# Altium PCB 声源跟踪小车结构板框.PcbDoc
Units mm, origin at the board's own origin, x right, y up, seen from the top; angles counter-clockwise.
Board outline 100 x 100 mm, 2 copper layers (Top Layer, Bottom Layer); 6 components, 0 nets, 12 pads, 0 vias.
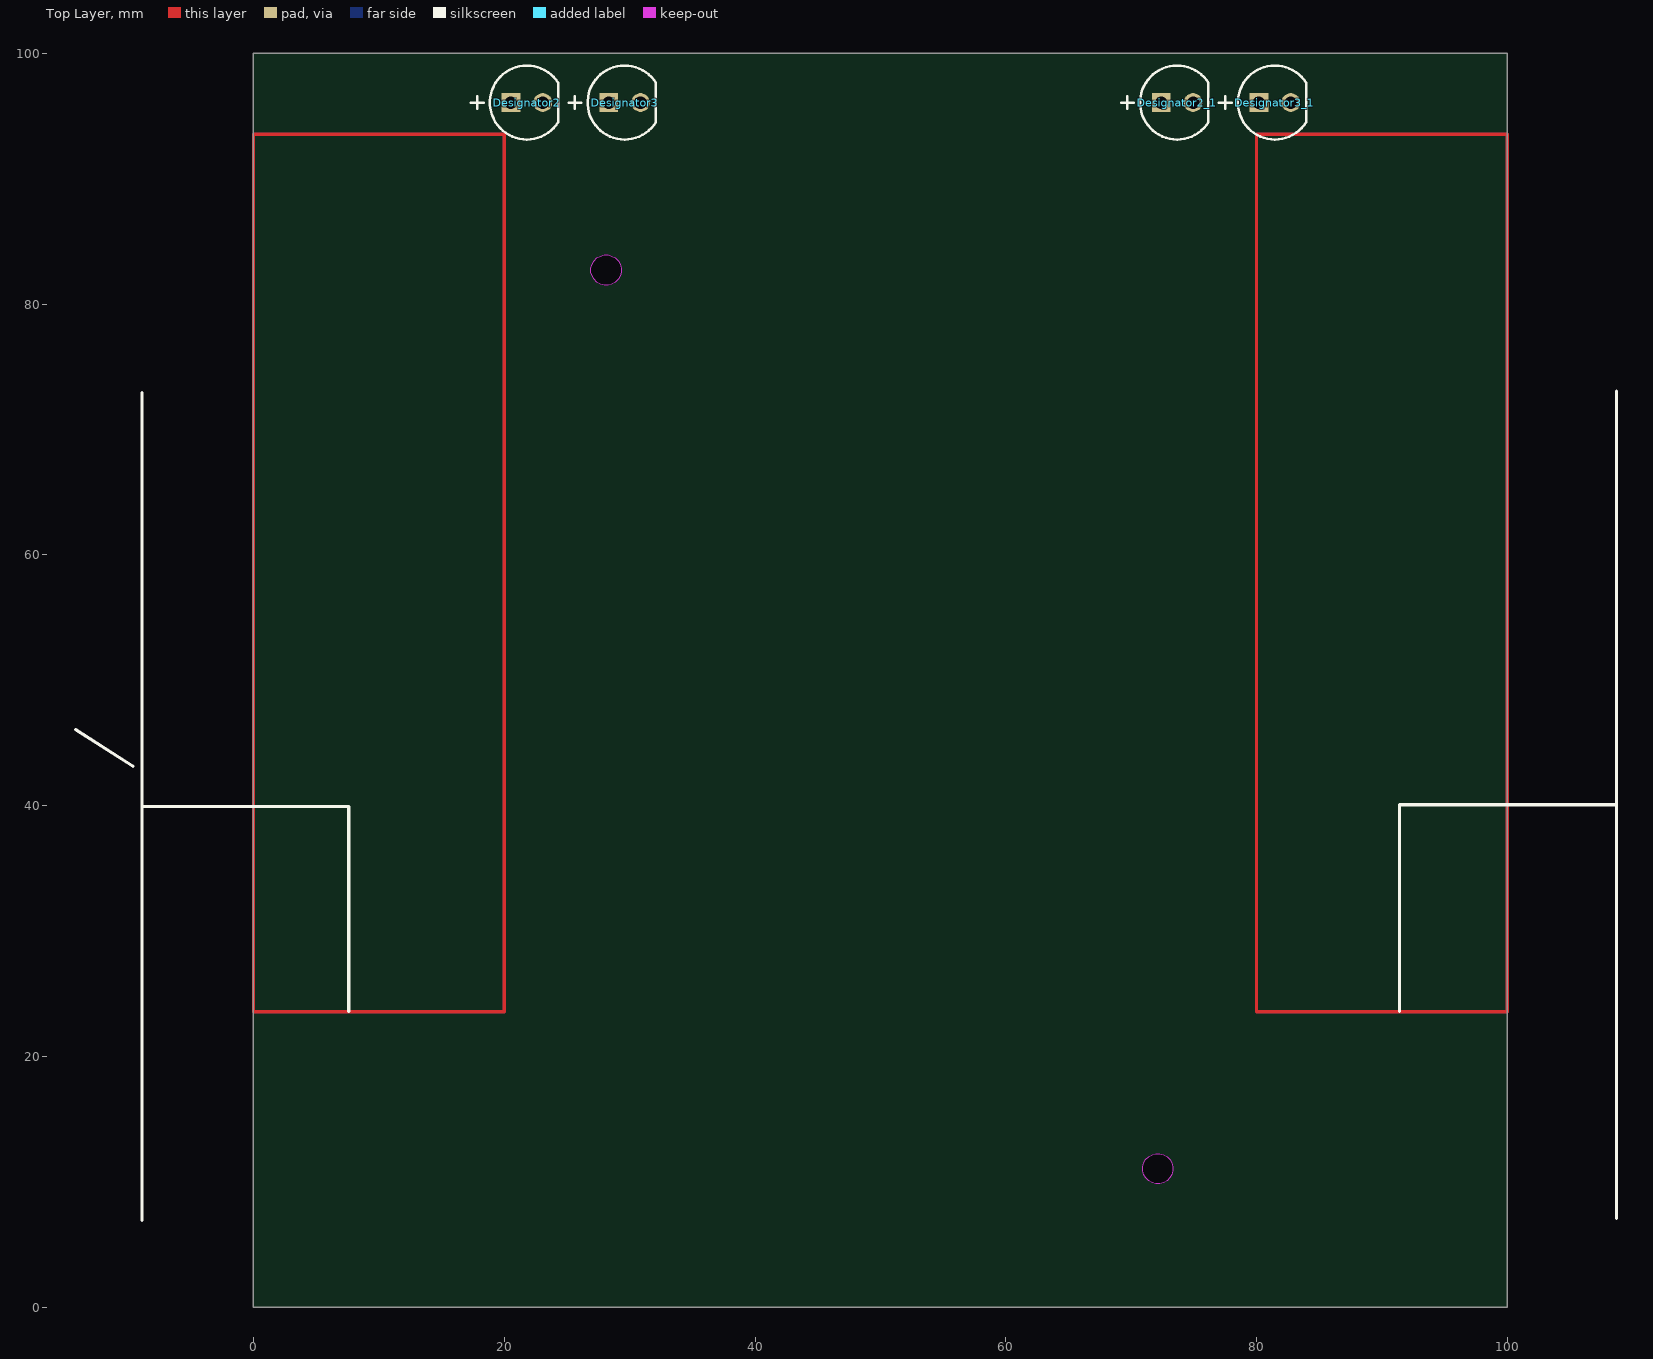
[diagram p0: Top Layer view]
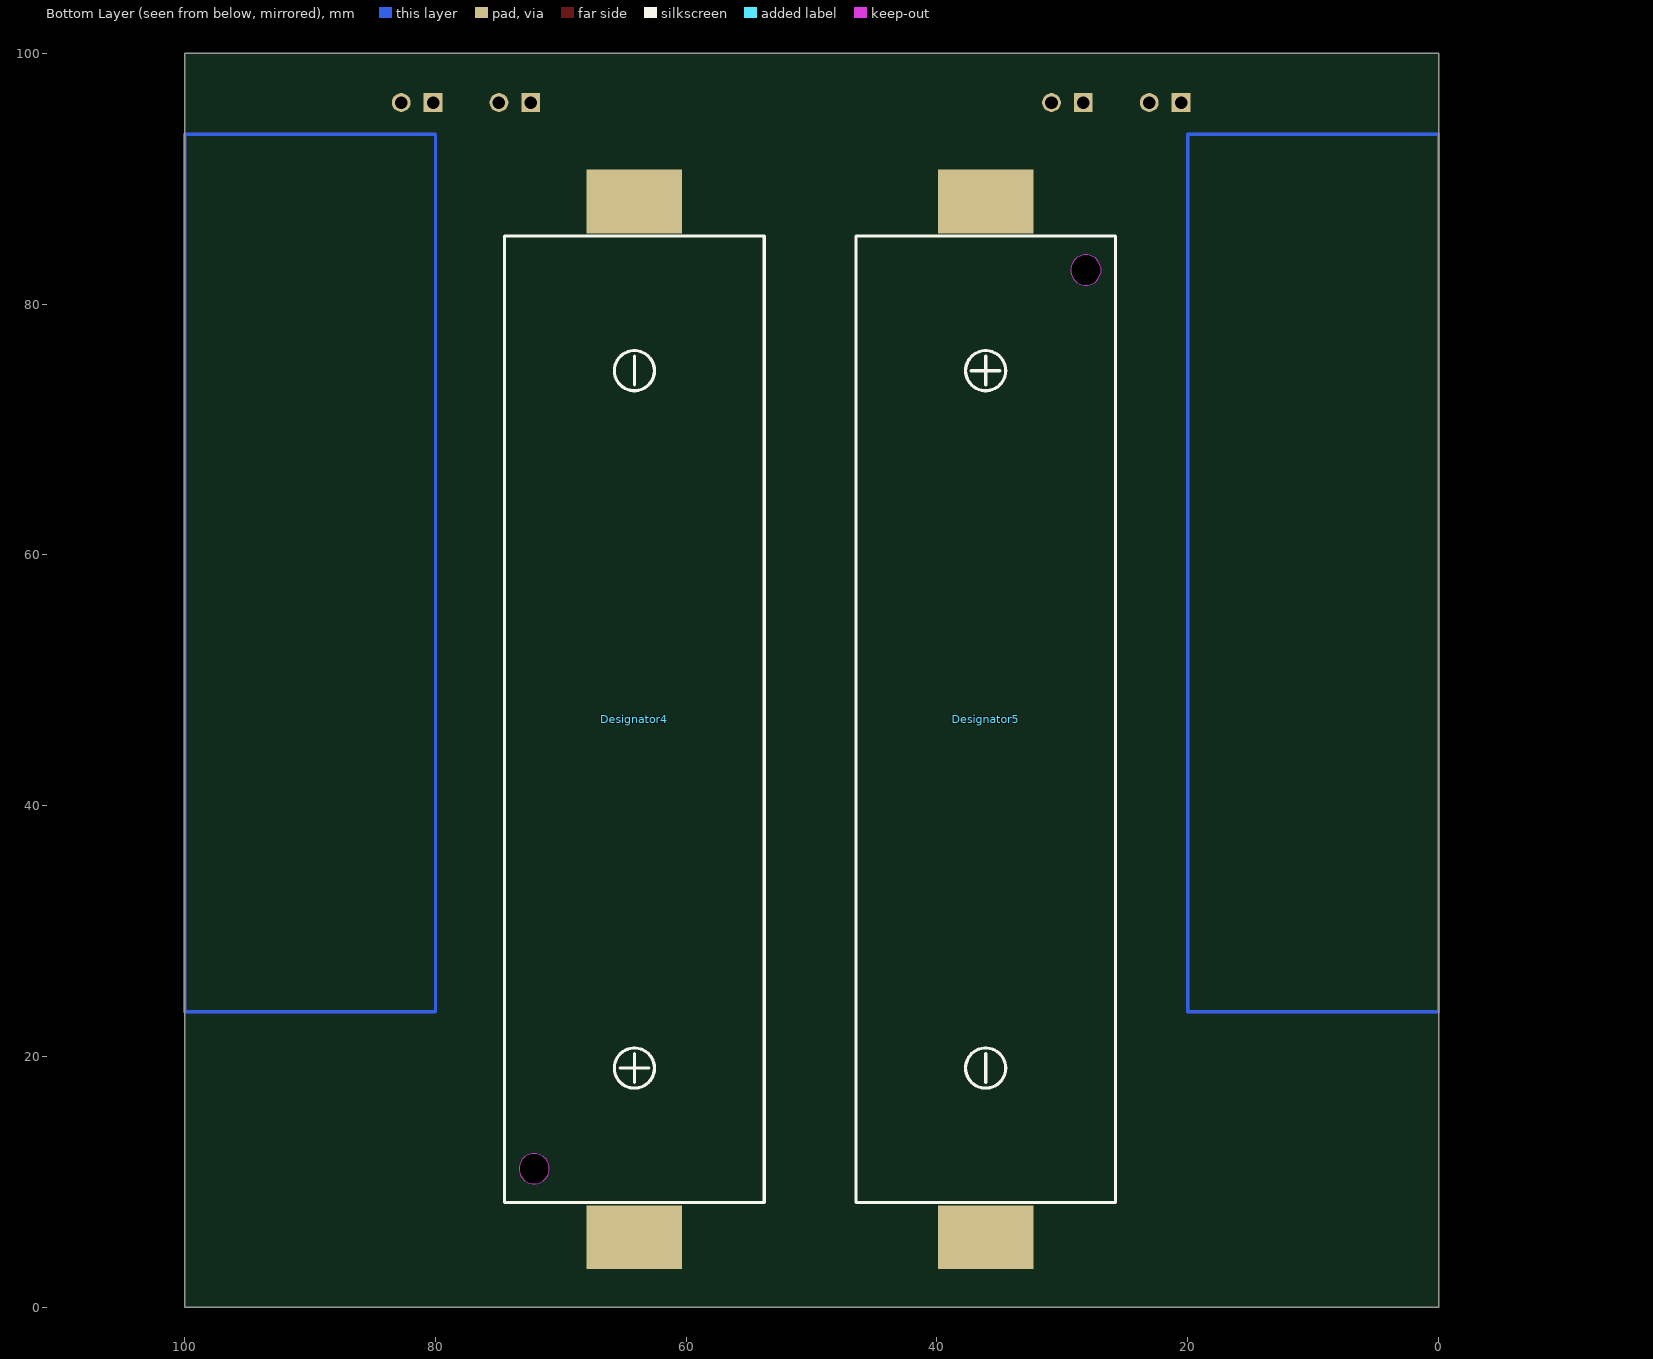
[diagram p1: Bottom Layer view, seen from below]

## Layer stack, top to bottom
Top Solder: solder mask 0.0102, Solder Resist, Dk 3.5
Top Layer: signal copper 0.0356
Dielectric 1: dielectric 0.32, FR-4, Dk 4.8
Bottom Layer: signal copper 0.0356
Bottom Solder: solder mask 0.0102, Solder Resist, Dk 3.5

## Board outline
0,0 0,100 100,100 100,0

## Design rules (kind name [scope] priority, off if disabled: settings)
Clearance [All] p1: gap=0.254 ignorepadtopadclearanceinfootprint=FALSE except(0: Arc-Hole Track-Hole SMDPad-Hole THPad-Hole Via-Hole Fill-Hole Poly-Hole Region-Hole Text-Hole)
PolygonConnect [All] p1: connectstyle=Relief reliefconductorwidth=0.254 reliefentries=4 polygonreliefangle="90 Angle" airgapwidth=0.254
RoutingVias [All] p1: holewidth=0.711 width=1.27 viastyle="Through Hole" minholewidth=0.711 minwidth=1.27 maxholewidth=0.711 maxwidth=1.27
SolderMaskExpansion [All] p1: expansion=0.102 istentingtop=FALSE
Width [All] p1: maxlimit=0.254 minlimit=0.254 preferedwidth=0.254
30 further rules are at their usual default settings.

## Components (designator, comment, footprint, x,y, rotation, side; value= is the part's Value field where it differs from the comment)
Designator2 "Comment" CGX-UR502DC 21.801,96.088 r0 top
Designator2_1 "Comment" CGX-UR502DC 73.668,96.088 r0 top
Designator3 "Comment" CGX-UR502DC 29.599,96.088 r0 top
Designator3_1 "Comment" CGX-UR502DC 81.465,96.088 r0 top
Designator4 "Comment" BATTERY-SMD_18650-1S-L77.1-W20.7-1 64.135,46.888 r0 bottom
Designator5 "Comment" BATTERY-SMD_18650-1S-L77.1-W20.7-1 36.119,46.888 r180 bottom

## Footprints (in the part's own frame and the unit in brackets; to place one, negate y for a bottom-side part, rotate by r counter-clockwise, add the part's x,y. Pads: shape width x height; smd on the part's side, far side on the other; paste and mask are expansions set on the pad)
BATTERY-SMD_18650-1S-L77.1-W20.7-1 [mil]
  rect 300x200 smd mask+2: 1(0,-1626.5) 2(0,1626.5)
  Keep-Out Layer board cut-out: 362.2,1411.02 362.2,1417.24 358.98,1429.26 352.76,1440.03 343.97,1448.82 333.2,1455.04 321.18,1458.26 308.74,1458.26 296.72,1455.04 285.95,1448.82 277.16,1440.03 270.94,1429.26 267.72,1417.24 267.72,1411.02 267.72,1404.8 270.94,1392.78 277.16,1382.01 285.95,1373.22 296.72,1367 308.74,1363.78 321.18,1363.78 333.2,1367 343.97,1373.22 352.76,1382.01 358.98,1392.78 362.2,1404.8 362.2,1411.02 362.2,1411.02
  silkscreen extent -408,-1518 408,1518
CGX-UR502DC [mm] "THD, 2-Leads, Dia 5.9mm, Pin Spacing 2.54mm"
  rect 1.5x1.5 hole 1: 1(-1.27,0)
  round 1.5 hole 1: 2(1.27,0)
  silkscreen extent -4.47,-2.95 2.5,2.95, body extent -2.95,-2.95 2.5,2.95, height 9.1

## Nets (pads, with @x,y where several pads share a name; then routed paths per layer and width w, separated by ;. In a path a pad name is that pad's centre, name@x,y a point inside that pad or via, vN(x,y) a via of type N, cw(c..) or ccw(c..) an arc to the next point about the centre after c; other vN are vias at no path point)
pads on no net: Designator2.1 Designator2.2 Designator2_1.1 Designator2_1.2 Designator3.1 Designator3.2 Designator3_1.1 Designator3_1.2 Designator4.1 Designator4.2 Designator5.1 Designator5.2

## Other copper
Multi-Layer:
  lines w0.254: 0,23.561 20,23.561 20,93.561 0,93.561 0,23.561 ; 80,23.561 100,23.561 100,93.561 80,93.561 80,23.561
  text "multi layer：底层禁止放元器件" at -9.744,116.809 h3
  text "底层放电机" at 82.991,71.792 h3
  text "底层放电机" at 2.575,69.659 h3
  text "不要放元件" at 82.89,65.887 h3
  text "不要放元件" at 2.473,63.753 h3
  text "底层放电池座" at 53.926,50.063 h3

## Silkscreen, mask and mechanical layers (free items; w line width, h text height)
Top Overlay:
  lines w0.254: -14.199,46.076 -9.601,43.155 ; -8.883,6.933 -8.883,39.933 -8.883,72.933 ; -8.865,39.933 7.602,39.933 7.602,23.597 ; 7.417,39.933 7.501,39.933 ; 91.415,23.586 91.415,40.086 108.712,40.086 108.712,73.086 ; 108.715,7.086 108.715,40.086
  text "车轮，可忽略" at -32.156,46.888 h3
Drill Guide:
  lines w0.254: 17.229,92.227 33.815,92.227 33.815,99.67 17.229,99.67 17.229,92.227 ; 69.096,92.227 85.682,92.227 85.682,99.67 69.096,99.67 69.096,92.227
  text "Drill Guide：红外发射、接收对管位置" at -9.568,125.729 h3
Mechanical 1:
  circle w0.254: c50.038,89.56 r3
  lines w0.254: 100,84.633 100.025,84.633 ; 0,0 0,100 100,100 100,0 0,0 ; 20.334,55.376 22.334,55.376 22.334,65.376 20.334,65.376 20.334,55.376 ; 77.764,55.376 79.764,55.376 79.764,65.376 77.764,65.376 77.764,55.376
  text "Mechanical：钻孔" at -9.49,121.033 h3
  text "M5" at 43.334,87.912 h3
  text "2x10mm" at 68.232,59.819 h3
  text "2x10mm" at 23.833,59.21 h3
Drill Drawing:
  circle w0.254: c62.916,95.91 r2.044
  circle w0.254: c38.075,95.91 r2.044
  circle w0.254: c3.302,96.418 r2.044
  circle w0.254: c50,95.91 r2.044
  circle w0.254: c50,3 r2.044
  circle w0.254: c3,3 r2.044
  circle w0.254: c97,3 r2.044
  circle w0.254: c96.85,96.545 r2.044
  text "Drill Drawing：咪头位置" at -9.568,130.7 h3